# Altium PCB Hall Board.PcbDoc (part 4 of 4)
Units mil, origin at the board's own origin, x right, y up, seen from the top; angles counter-clockwise.
Board outline 5491 x 4230 mil, 4 copper layers (Top Layer, Internal Plane 1, Internal Plane 2, Bottom Layer), stack 18.2 mil thick; 462 components, 334 nets, 1357 pads, 212 vias.
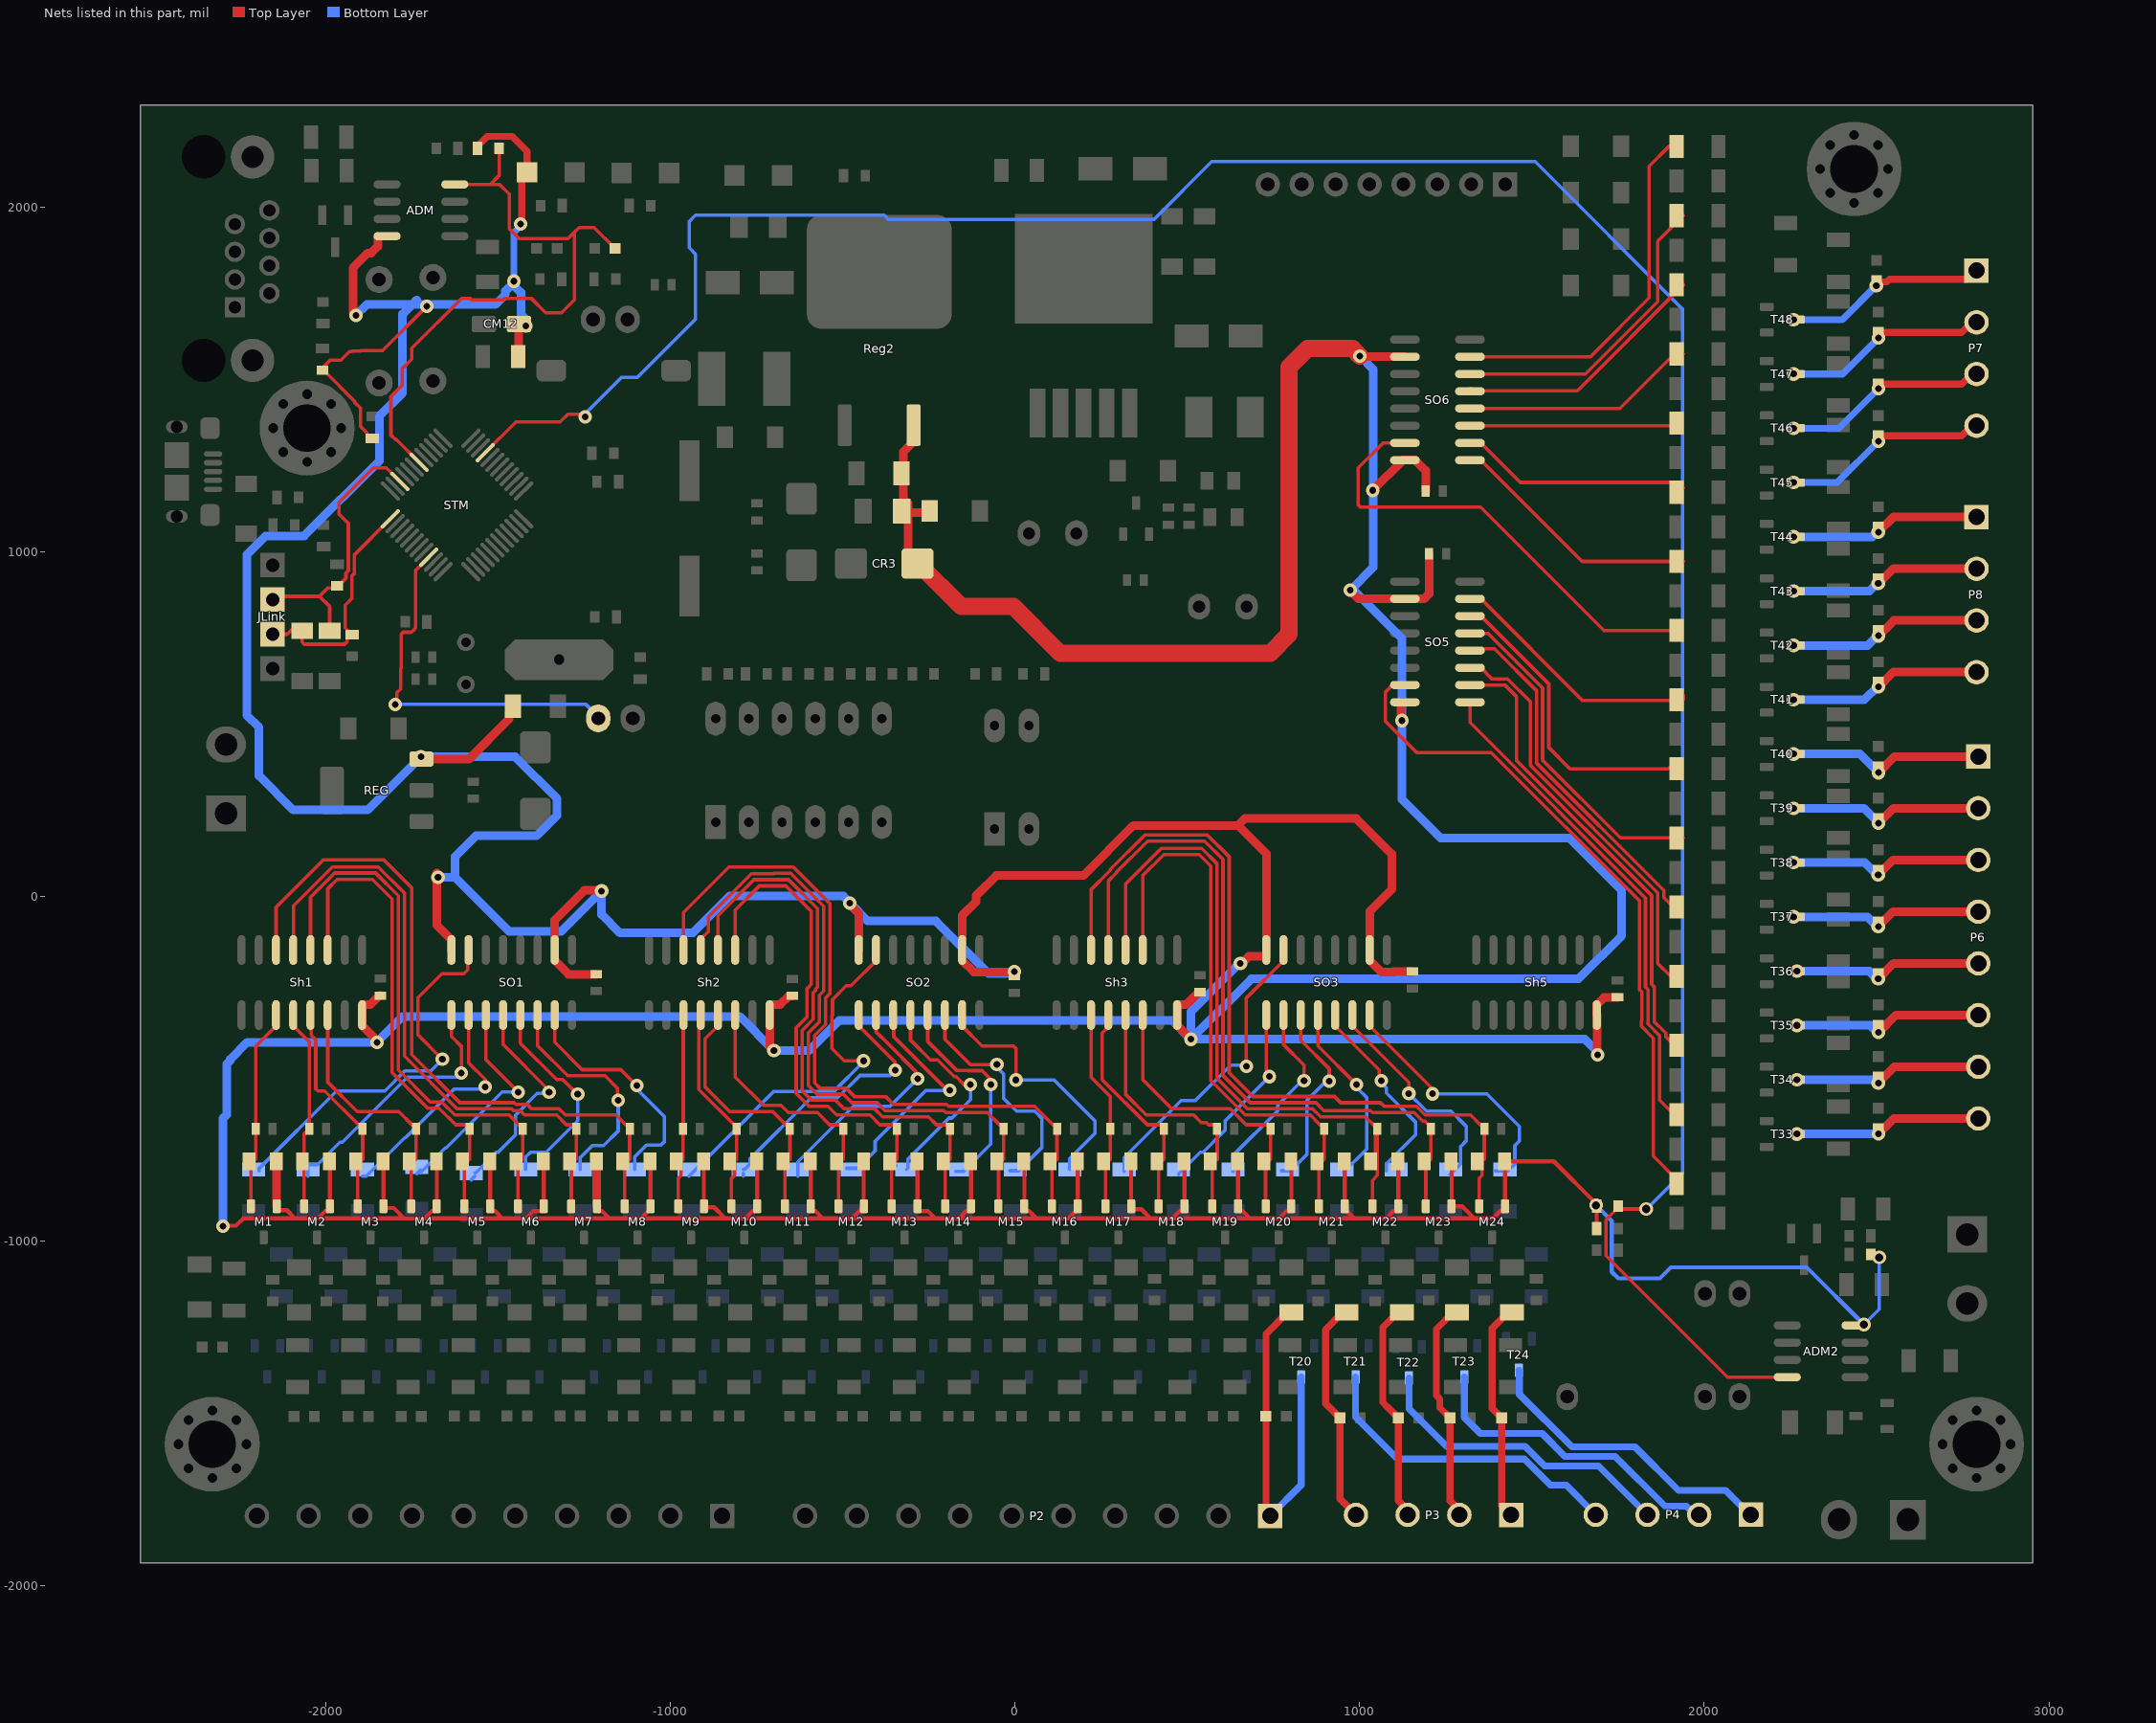
[diagram p6: the nets of this part, all layers, seen from the top]

## Via types
v1: diameter 39.37, hole 19.68, Top Layer to Bottom Layer, 199 vias
v2: diameter 39.37, hole 23.62, Top Layer to Bottom Layer, 12 vias
v3: diameter 78.74, hole 39.37, Top Layer to Bottom Layer, 1 vias

## Nets (pads, with @x,y where several pads share a name; then routed paths per layer and width w, separated by ;. In a path a pad name is that pad's centre, name@x,y a point inside that pad or via, vN(x,y) a via of type N, cw(c..) or ccw(c..) an arc to the next point about the centre after c; other vN are vias at no path point) (continued)
SI24_19: DT20.2 L20.2 P2.1 T20.3 | length 1073
  Top Layer w20: P2.1@740.31,-1797.76 727.79,-1785.24 L20.2@727.79,-1508.59 727.79,-1270.35 791.17,-1206.96 DT20.2@802,-1206.96
  Bottom Layer w20: P2.1@740.31,-1797.76 830.16,-1707.9 T20.3@830.16,-1395
SI24_24: DT21.2 L21.2 P3.4 | length 656.1
  Top Layer w20: DT21.2@962,-1206.96 951.17,-1206.96 901,-1257.13 901,-1472.04 L21.2@942.47,-1513.51 942.47,-1748.43 P3.4@989.04,-1795
SI24_25: DT22.2 L22.2 P3.3 | length 647.5
  Top Layer w20: DT22.2@1122,-1206.96 1111.17,-1206.96 1066.67,-1251.47 1066.67,-1468.73 1080.81,-1482.87 1081.22,-1482.87 L22.2@1111.86,-1513.51 1111.86,-1754.06 1139.04,-1781.24 P3.3@1139.04,-1795
SI24_26: DT23.2 L23.2 P3.2 | length 646.8
  Top Layer w20: DT23.2@1282,-1206.96 1271.17,-1206.96 1222.21,-1255.92 1222.21,-1448.21 1232.42,-1458.41 1232.42,-1484.06 L23.2@1261.86,-1513.51 1261.86,-1754.06 1289.04,-1781.24 P3.2@1289.04,-1795
SI24_27: DT24.2 L24.2 P3.1 | length 641
  Top Layer w20: P3.1@1439.04,-1795 1411.86,-1767.82 L24.2@1411.86,-1513.51 1384.21,-1485.85 1384.21,-1253.93 1431.17,-1206.96 DT24.2@1442,-1206.96
Sig_0: RF1.2 SO1.15 | length 1114.6
  Top Layer w10: v1(-1662.32,-473.34) -1733.5,-402.16 -1733.5,-294.61 -1663.89,-225 -1600,-225 -1588.84,-213.84 -1588.84,-158.63 SO1.15@-1586.23,-156.02
  Bottom Layer w10: RF1.2@-2193.68,-796.48 -2193.68,-789.43 -1969.63,-565.37 -1829.4,-565.37 -1771.15,-507.13 -1696.11,-507.13 v1(-1662.32,-473.34)
Sig_1: RF2.2 SO1.1 | length 782
  Top Layer w10: SO1.1@-1636.23,-345 -1636.23,-406.84 -1606.33,-436.74 -1606.33,-512.29 v1@-1600,-518.61
  Bottom Layer w10: RF2.2@-2052.1,-812.8 -2052.1,-778.7 -2025.05,-778.7 -1959.96,-713.61 -1952.36,-713.61 -1763.75,-525 -1605,-525 v1@-1600,-520
  other v1: -1607.67,-513.34
Sig_2: RF3.2 SO1.2 | length 697.4
  Top Layer w10: SO1.2@-1586.23,-345 -1586.23,-483.77 -1537.67,-532.33 v1(-1537.67,-553.34)
  Bottom Layer w10: RF3.2@-1894.19,-812.8 -1882.92,-812.8 -1771.78,-701.65 -1770.26,-701.65 -1628.6,-560 v1@-1530,-560
Sig_3: RF4.2 SO1.3 | length 657.5
  Top Layer w10: SO1.3@-1536.23,-345 -1536.23,-474.4 v1(-1442.3,-568.34)
  Bottom Layer w10: RF4.2@-1736.29,-804.84 RF4.2@-1726.37,-794.92 ; RF4.2@-1726.37,-802.87 -1654.39,-730.9 -1651.41,-730.9 -1488.85,-568.34 v1(-1442.3,-568.34)
Sig_4: RF5.2 SO1.4 | length 639.1
  Top Layer w10: SO1.4@-1486.23,-345 -1486.23,-430.01 -1352.67,-563.57 v1(-1352.67,-568.34)
  Bottom Layer w10: RF5.2@-1578.39,-822.72 RF5.2@-1568.47,-812.8 ; RF5.2@-1568.47,-802.87 -1565.59,-802.87 -1505.27,-742.55 -1500.13,-742.55 -1450,-692.42 -1450,-635.25 -1387.36,-572.6 -1356.93,-572.6 v1(-1352.67,-568.34)
Sig_5: RF6.2 SO1.5 | length 617.4
  Top Layer w10: SO1.5@-1436.23,-345 -1436.23,-426.85 -1330.75,-532.33 -1313.13,-532.33 -1271.21,-574.25 v1(-1269.43,-574.25)
  Bottom Layer w10: RF6.2@-1420.48,-792.95 -1420.48,-757.28 -1406.02,-742.82 -1360.88,-742.82 -1269.43,-651.37 v1(-1269.43,-574.25)
Sig_6: RF7.2 SO1.6 | length 673.9
  Top Layer w10: SO1.6@-1386.23,-345 -1386.23,-433.95 -1298.97,-521.21 -1190.08,-521.21 -1153.85,-557.44 -1153.85,-590.27 v1(-1151.99,-592.13)
  Bottom Layer w10: RF7.2@-1262.58,-792.95 -1262.58,-758.95 -1227.31,-723.68 -1194.36,-723.68 -1151.99,-681.31 v1(-1151.99,-592.13)
Sig_7: RF8.2 SO1.7 | length 706.3
  Top Layer w10: SO1.7@-1336.23,-345 -1336.23,-423.75 -1256.64,-503.34 -1144.03,-503.34 v1(-1098.23,-549.13)
  Bottom Layer w10: RF8.2@-1104.68,-792.95 -1104.68,-757.28 -1069.94,-722.54 -1028.46,-722.54 -1017.61,-711.69 -1017.61,-640.37 -1089.02,-568.97 -1089.02,-566.3 -1098.23,-557.08 v1(-1098.23,-549.13)
Sig_8: RF9.2 SO2.15 | length 1099.7
  Top Layer w10: v1(-440.21,-477.77) -496.12,-477.77 -531.97,-441.92 -531.97,-346.97 -530,-345 -530,-300 -490,-260 -476.21,-260 -403.73,-187.52 SO2.15@-403.73,-156.02
  Bottom Layer w10: RF9.2@-946.77,-812.8 -701.1,-567.13 -527.13,-567.13 v1@-438.99,-478.99
Sig_9: RF10.2 SO2.1 | length 780.8
  Top Layer w10: SO2.1@-453.73,-345 -453.73,-376.5 -348.27,-481.96 v1(-348.27,-505)
  Bottom Layer w10: RF10.2@-788.87,-812.8 RF10.2@-788.87,-803.87 ; RF10.2@-788.87,-792.95 -785.75,-792.95 -770.08,-777.28 -770.08,-763.14 -591.94,-585 -515,-585 -450,-520 -363.27,-520 v1(-348.27,-505)
Sig_10: RF11.2 SO2.2 | length 722
  Top Layer w10: SO2.2@-403.73,-345 -403.73,-393.59 -370,-427.32 -288.38,-508.94 v1@-288.38,-530
  Bottom Layer w10: RF11.2@-630.97,-812.8 -630.97,-770.97 -470,-610 -363.39,-610 v1(-283.39,-530)
Sig_11: RF12.2 SO2.3 | length 702.1
  Top Layer w10: SO2.3@-353.73,-345 -352.13,-346.6 -352.13,-407.87 v1@-190,-570
  Bottom Layer w10: RF12.2@-489.38,-789.43 -456.75,-789.43 -406.43,-739.12 -406.43,-711.43 -258.34,-563.34 v1(-190,-563.34)
Sig_12: RF13.2 SO2.4 | length 628.3
  Top Layer w10: SO2.4@-303.73,-345 -303.73,-417.39 -246.03,-475.1 -225.18,-475.1 -176.4,-523.88 -171.22,-523.88 -148.42,-546.68 v1(-129.78,-546.68)
  Bottom Layer w10: RF13.2@-346.08,-781.88 RF13.2@-345.5,-781.88 ; RF13.2@-315.16,-792.95 -311.14,-788.93 -311.14,-763.14 -191.79,-643.79 -183.72,-643.79 -129.78,-589.84 v1(-129.78,-546.68)
Sig_13: RF14.2 SO2.5 | length 626.4
  Top Layer w10: SO2.5@-253.73,-345 -253.73,-421.27 -169,-506 -138.38,-506 -138.17,-506.21 -95.8,-506.21 -70.95,-531.06 v1(-70.95,-546.68)
  Bottom Layer w10: RF14.2@-171.85,-798.21 -149.72,-798.21 -70.95,-719.44 v1(-70.95,-546.68)
Sig_14: RF15.2 SO2.6 | length 698.4
  Top Layer w10: SO2.6@-203.73,-345 -203.73,-415.38 -130.77,-488.34 v1(-53.14,-488.34)
  Bottom Layer w10: v1(-53.14,-488.34) -53.14,-496.29 -33.38,-516.05 -33.38,-586.73 3.67,-623.78 56.52,-623.78 78.05,-645.31 78.05,-728.35 9.92,-796.48 RF15.2@-15.67,-796.48
Sig_15: RF16.2 SO2.7 | length 751.9
  Top Layer w10: SO2.7@-153.73,-345 -153.73,-377.28 -96.01,-435 -5,-435 2.33,-442.33 v1(2.33,-533.34)
  Bottom Layer w10: v1@6.05,-533.34 113.15,-533.34 231.11,-651.29 231.11,-688.89 158.55,-761.45 RF16.2@158.55,-792.95
Sig_16: RF17.2 SO3.15 | length 896.2
  Top Layer w10: v1(670.98,-493.34) 670.98,-295.31 778.77,-187.52 SO3.15@778.77,-156.02
  Bottom Layer w10: RF17.2@316.45,-797.95 316.45,-758.55 481.95,-593.05 522.69,-593.05 625.74,-490 v1@680,-490
Sig_17: RF18.2 SO3.1 | length 578.7
  Top Layer w10: SO3.1@728.77,-345 728.77,-506 738.17,-515.4 v1(738.17,-523.35)
  Bottom Layer w10: RF18.2@474.35,-808.62 474.35,-805.75 537.26,-742.84 545.24,-742.84 609.44,-678.64 609.44,-652.08 731.51,-530.01 v1@738.17,-530.01
Sig_18: RF19.2 SO3.2 | length 571.8
  Top Layer w10: SO3.2@778.77,-345 778.27,-345.5 778.27,-430 838.56,-490.29 v1(838.56,-535.23)
  Bottom Layer w10: RF19.2@632.26,-797.95 632.26,-752.21 761.86,-622.62 761.86,-606.32 808.18,-560 826.29,-541.89 v1@846.23,-541.89
Sig_19: RF20.2 SO3.3 | length 567.4
  Top Layer w10: SO3.3@828.77,-345 828.77,-418.39 911.31,-500.93 v1(911.31,-536.68)
  Bottom Layer w10: RF20.2@773.84,-796.48 799.43,-796.48 846.23,-749.67 846.23,-593.34 896.23,-543.34 v1@918.98,-543.34
Sig_20: RF21.2 SO3.4 | length 540.8
  Top Layer w10: SO3.4@878.77,-345 878.77,-435.11 v1(990.33,-546.68)
  Bottom Layer w10: RF21.2@954.08,-799.73 1020.02,-733.79 1020.02,-584.25 993.76,-557.99 v1@993.76,-545
Sig_21: RF22.2 SO3.5 | length 584.3
  Top Layer w10: SO3.5@928.77,-345 928.77,-376.5 1056.71,-504.44 1056.71,-529.83 v1(1062.33,-535.45)
  Bottom Layer w10: v1@1057.9,-536.39 1077.5,-555.99 1077.5,-570.87 1161.57,-654.94 1161.57,-692.57 1077.5,-776.64 RF22.2@1077.5,-797.13
Sig_22: RF23.2 SO3.6 | length 663.9
  Top Layer w10: SO3.6@978.77,-345 978.77,-376.5 1142.33,-540.06 v1(1142.33,-572.32)
  Bottom Layer w10: v1@1140.01,-570 1193.81,-623.8 1265.01,-623.8 1308.74,-667.54 1308.74,-710.48 1292.33,-726.89 1292.33,-777.28 RF23.2@1261.85,-807.77
Sig_23: RF24.2 SO3.7 | length 771.5
  Top Layer w10: SO3.7@1028.77,-345 1028.77,-376.5 1205.26,-552.98 1205.26,-567.72 v1(1210.88,-573.34)
  Bottom Layer w10: v1@1214.8,-573.34 1368.58,-573.34 1463.59,-668.35 1463.59,-710.43 1450.24,-723.78 1450.24,-777.28 1430.4,-797.13 RF24.2@1393.31,-797.13
Sig_32: RF33.2 SO5.15 | length 1929.3
  Top Layer w10: SO5.15@1092.72,610.22 1074.84,592.35 1074.84,507.35 1165.39,416.8 1381.8,416.8 1811.38,-12.77 1811.38,-270.63 1818.61,-277.86 1818.61,-361.14 1817.27,-362.47 1817.27,-377.27 1852.13,-412.13 1852.13,-754.42 1919.06,-821.35 RF33.2@1919.06,-834.14
Sig_33: RF34.2 SO5.1 | length 1449.6
  Top Layer w10: SO5.1@1320,562.78 1320,503.88 1829.25,-5.37 1829.25,-263.22 1836.48,-270.45 1836.48,-368.54 1835.15,-369.87 1870,-404.72 1870,-591.3 1912.24,-633.53 RF34.2@1919.06,-633.53
Sig_34: RF35.2 SO5.2 | length 1356.7
  Top Layer w10: SO5.2@1320,612.78 1421.2,612.78 1454.53,579.45 1454.53,394.63 1847.13,2.03 1847.13,-255.82 1854.35,-263.05 1854.35,-363.8 1887.87,-397.32 1887.87,-407.82 1912.98,-432.92 RF35.2@1919.06,-432.92
Sig_35: RF36.2 SO5.3 | length 1197.8
  Top Layer w10: SO5.3@1320,662.78 1351.5,662.78 1383.62,630.66 1428.6,630.66 1495,564.26 1495,379.44 1865,9.44 1865,-195 1902.32,-232.32 RF36.2@1919.06,-232.32
Sig_36: RF37.2 SO5.4 | length 1046.6
  Top Layer w10: SO5.4@1320,712.78 1325.27,718.06 1391,718.06 1512.87,596.18 1512.87,386.84 1882.87,16.84 1882.87,-3.87 1910.71,-31.71 RF37.2@1919.06,-31.71
Sig_37: RF38.2 SO5.5 | length 988.6
  Top Layer w10: SO5.5@1320.74,763.53 SO5.5@1320,762.78 1371.55,762.78 1530.75,603.59 1530.75,394.24 1756.09,168.9 RF38.2@1919.06,168.9 RF38.2@1938.9,168.9
Sig_38: RF39.2 SO5.6 | length 906.9
  Top Layer w10: SO5.6@1320,812.78 1351.5,812.78 1548.62,615.66 1548.62,430.89 1610,369.51 1894.76,369.51 RF39.2@1923.23,397.98
Sig_39: RF40.2 SO5.7 | length 760.5
  Top Layer w10: SO5.7@1320,862.78 1351.5,862.78 1646.95,567.33 1923.31,567.33 1938.9,582.92 RF40.2@1938.9,570.12
Sig_40: RF41.2 SO6.15 | length 1349.5
  Top Layer w10: SO6.15@1131.02,1315 1068,1315 995.55,1242.55 995.55,1134.87 1001.41,1129.02 1350.98,1129.02 1709.27,770.73 RF41.2@1919.06,770.73 RF41.2@1921.1,770.73
Sig_41: RF42.2 SO6.1 | length 740.5
  Top Layer w10: SO6.1@1320,1265 1351.5,1265 1645.15,971.34 RF42.2@1938.9,971.34
Sig_42: RF43.2 SO6.2 | length 672.8
  Top Layer w10: SO6.2@1320,1315 1351.5,1315 1466.08,1200.42 1923.23,1200.42 RF43.2@1938.9,1184.75
Sig_43: RF44.2 SO6.3 | length 611.3
  Top Layer w10: SO6.3@1320,1365 RF44.2@1931.34,1365
Sig_44: RF45.2 SO6.4 | length 684.8
  Top Layer w10: SO6.4@1320,1415 1320.41,1414.59 1755,1414.59 1913.58,1573.17 RF45.2@1938.9,1573.17
Sig_45: RF46.2 SO6.5 | length 750.2
  Top Layer w10: SO6.5@1320,1465 1321.66,1466.66 1631.78,1466.66 RF46.2@1938.9,1773.78
  Top Layer w20: SO6.5@1320,1465 SO6.5@1322.39,1467.39
Sig_46: RF47.2 SO6.6 | length 911.9
  Top Layer w10: SO6.6@1320,1515 1654.84,1515 1864.51,1724.67 1864.51,1900 RF47.2@1938.9,1974.39
Sig_47: RF48.2 SO6.7 | length 1075.5
  Top Layer w10: SO6.7@1320,1565 1669.43,1565 1840,1735.57 1840,2117.6 1897.4,2175 RF48.2@1919.06,2175
SIMu_0: CY1.2 M1.2 RA1.2 Sh1.11 | length 585
  Top Layer w10: M1.2@-2218.2,-899.65 -2218.2,-777.89 -2209.74,-769.43 -2203.7,-763.39 CY1.2@-2203.7,-674.92 -2203.7,-435.2 -2145,-376.5 Sh1.11@-2145,-345
SIMu_1: CY2.2 M2.2 RA2.2 Sh1.12 | length 587.4
  Top Layer w10: Sh1.12@-2095,-345 -2095,-376.5 -2048.7,-422.79 CY2.2@-2048.7,-674.92 -2063.2,-689.41 RA2.2@-2063.2,-774.75 ; RA2.2@-2068.52,-769.43 RA2.2@-2063.2,-774.75 ; M2.2@-2063.2,-899.65 RA2.2@-2063.2,-774.75
SIMu_2: CY3.2 M3.2 RA3.2 Sh1.13 | length 638
  Top Layer w10: Sh1.13@-2045,-345 -2042.91,-347.09 -2042.91,-403.31 -2029.6,-416.61 -2029.6,-559.14 -2023.75,-565 -2003.62,-565 -1905.43,-663.19 -1900.51,-663.19 -1893.7,-670 CY3.2@-1893.7,-674.92 -1893.7,-763.39 -1899.74,-769.43 -1908.2,-777.89 M3.2@-1908.2,-899.65
SIMu_3: CY4.2 M4.2 RA4.2 Sh1.14 | length 740.7
  Top Layer w10: Sh1.14@-1995,-345 -1995,-539.76 -1909.76,-625 -1788.62,-625 -1750.43,-663.19 -1745.51,-663.19 -1738.7,-670 CY4.2@-1738.7,-674.92 -1738.7,-763.39 -1744.74,-769.43 -1753.2,-777.89 M4.2@-1753.2,-899.65
SIMu_4: CY5.2 M5.2 RA5.2 Sh1.3 | length 1428.3
  Top Layer w10: Sh1.3@-1995,-156.02 -1995,21.44 -1967.88,48.56 -1865,48.56 -1808.26,-8.18 -1808.26,-511.74 -1705,-615 -1671.85,-615 -1623.66,-663.19 -1590.51,-663.19 -1583.7,-670 CY5.2@-1583.7,-674.92 -1583.7,-763.39 -1598.2,-777.89 M5.2@-1598.2,-899.65
SIMu_5: CY6.2 M6.2 RA6.2 Sh1.4 | length 1635.5
  Top Layer w10: Sh1.4@-2045,-156.02 -2045,-3.28 -1974.59,67.13 -1856.02,67.13 -1790.38,1.49 -1790.38,-504.34 -1697.6,-597.13 -1664.45,-597.13 -1626.57,-635 -1468.62,-635 -1440.43,-663.19 -1435.51,-663.19 -1428.7,-670 CY6.2@-1428.7,-674.92 -1428.7,-763.39 -1443.2,-777.89 M6.2@-1443.2,-899.65
SIMu_6: CY7.2 M7.2 RA7.2 Sh1.5 | length 1821.4
  Top Layer w10: Sh1.5@-2095,-156.02 -2094.42,-155.45 -2094.42,-27.43 -1981.99,85 -1848.62,85 -1772.51,8.9 -1772.51,-463.79 -1619.17,-617.13 -1461.22,-617.13 -1456.22,-622.13 -1436.88,-622.13 -1424,-635 -1330.68,-635 -1302.49,-663.19 -1280.51,-663.19 -1273.7,-670 CY7.2@-1273.7,-674.92 -1273.7,-763.39 -1288.2,-777.89 M7.2@-1288.2,-899.65
SIMu_7: CY8.2 M8.2 RA8.2 Sh1.6 | length 2047.3
  Top Layer w10: Sh1.6@-2145,-156.02 -2145,-31.83 -2008.17,105 -1832.13,105 -1751.38,24.25 -1751.38,-459.64 -1611.77,-599.25 -1453.82,-599.25 -1448.82,-604.25 -1416.05,-604.25 -1403.17,-617.13 -1323.28,-617.13 -1305.4,-635 -1158.62,-635 -1130.43,-663.19 -1125.51,-663.19 -1118.7,-670 CY8.2@-1118.7,-674.92 -1118.7,-763.39 -1133.2,-777.89 M8.2@-1133.2,-899.65
SIMu_8: CY9.2 M9.2 RA9.2 Sh2.11 | length 561.1
  Top Layer w10: M9.2@-978.2,-899.65 -978.2,-818.48 -969.74,-810.02 -969.74,-769.43 -963.7,-763.39 CY9.2@-963.7,-674.92 -963.1,-674.32 -963.1,-345.6 Sh2.11@-962.5,-345
SIMu_9: CY10.2 M10.2 RA10.2 Sh2.12 | length 608
  Top Layer w10: Sh2.12@-912.5,-345 -912.5,-380.18 -917.74,-385.42 -917.74,-560.97 -808.7,-670 -808.7,-763.39 -814.74,-769.43 -814.74,-810.02 -823.2,-818.48 M10.2@-823.2,-899.65
SIMu_10: CY11.2 M11.2 RA11.2 Sh2.13 | length 754.1
  Top Layer w10: Sh2.13@-862.5,-345 -862.5,-376.5 -899.86,-413.86 -899.86,-553.56 -828.42,-625 -703.62,-625 -665.43,-663.19 -660.51,-663.19 -653.7,-670 CY11.2@-653.7,-674.92 -653.7,-763.39 -659.74,-769.43 -668.2,-777.89 M11.2@-668.2,-899.65
SIMu_11: CY12.2 M12.2 RA12.2 Sh2.14 | length 789.3
  Top Layer w10: Sh2.14@-812.5,-345 -812.5,-524.63 -730,-607.13 -678.94,-607.13 -658.19,-627.87 -573.98,-627.87 -538.66,-663.19 -505.51,-663.19 -498.7,-670 CY12.2@-498.7,-674.92 -498.7,-763.39 -504.74,-769.43 -513.2,-777.89 M12.2@-513.2,-899.65
SIMu_12: CY13.2 M13.2 RA13.2 Sh2.3 | length 1511.1
  Top Layer w10: Sh2.3@-812.5,-156.02 -812.5,-40 -742.68,29.82 -665.24,29.82 -591.62,-43.8 -591.62,-255.84 -603.81,-268.04 -603.81,-349.79 -635.62,-381.6 -635.62,-572.3 -597.92,-610 -543.3,-610 -518.3,-635 -421.19,-635 -393,-663.19 -350.51,-663.19 -343.7,-670 CY13.2@-343.7,-674.92 -343.7,-763.39 -358.2,-777.89 M13.2@-358.2,-899.65
SIMu_13: CY14.2 M14.2 RA14.2 Sh2.4 | length 1721.1
  Top Layer w10: Sh2.4@-862.5,-156.02 -862.5,-56.76 -758.04,47.7 -657.84,47.7 -573.75,-36.39 -573.75,-263.25 -579.71,-269.21 -579.71,-273.87 -585.94,-280.11 -585.94,-357.19 -617.75,-389 -617.75,-564.89 -590.51,-592.13 -520.66,-592.13 -495.66,-617.13 -407.87,-617.13 -385,-640 -251.74,-640 -228.55,-663.19 -195.51,-663.19 -188.7,-670 CY14.2@-188.7,-674.92 -188.7,-763.39 -203.2,-777.89 M14.2@-203.2,-899.65
SIMu_14: CY15.2 M15.2 RA15.2 Sh2.5 | length 1922.4
  Top Layer w10: Sh2.5@-912.5,-156.02 -912.5,-124.53 -890.45,-102.48 -890.45,-59.44 -765.44,65.57 -701.09,65.57 -700,66.66 -651.52,66.66 -555.87,-28.99 -555.87,-275.32 -568.07,-287.51 -568.07,-364.6 -599.87,-396.4 -599.87,-549.1 -574.72,-574.25 -498.56,-574.25 -473.56,-599.25 -400.47,-599.25 -377.6,-622.13 -206.77,-622.13 -201.02,-627.87 -80.75,-627.87 -45.43,-663.19 -40.51,-663.19 -33.7,-670 CY15.2@-33.7,-674.92 -33.7,-763.39 -48.2,-777.89 M15.2@-48.2,-899.65
SIMu_15: CY16.2 M16.2 RA16.2 Sh2.6 | length 2162.1
  Top Layer w10: Sh2.6@-962.5,-156.02 -962.5,-47.5 -830.46,84.54 -644.12,84.54 -538,-21.58 -538,-282.72 -550.19,-294.92 -550.19,-372 -582,-403.81 -582,-541.7 -567.32,-556.38 -491.16,-556.38 -466.16,-581.38 -375.63,-581.38 -352.76,-604.25 -199.36,-604.25 -193.62,-610 56.38,-610 109.57,-663.19 114.49,-663.19 121.3,-670 CY16.2@121.3,-674.92 121.3,-763.39 106.8,-777.89 M16.2@106.8,-899.65
SIMu_16: CY17.2 M17.2 RA17.2 Sh3.11 | length 584
  Top Layer w10: Sh3.11@220,-345 220,-525 276.3,-581.3 CY17.2@276.3,-674.92 276.3,-763.39 270.26,-769.43 261.8,-777.89 M17.2@261.8,-899.65
SIMu_17: CY18.2 M18.2 RA18.2 Sh3.12 | length 665.9
  Top Layer w10: Sh3.12@270,-345 270,-379.69 252.64,-397.05 252.64,-532.36 383.47,-663.19 424.49,-663.19 431.3,-670 CY18.2@431.3,-674.92 431.3,-763.39 425.26,-769.43 416.8,-777.89 M18.2@416.8,-899.65
SIMu_18: CY19.2 M19.2 RA19.2 Sh3.13 | length 771
  Top Layer w10: Sh3.13@320,-345 320,-574.44 380.56,-635 518.15,-635 540.2,-657.05 555.3,-657.05 561.44,-663.19 579.49,-663.19 586.3,-670 586.3,-763.39 580.26,-769.43 571.8,-777.89 M19.2@571.8,-899.65
SIMu_19: CY20.2 M20.2 RA20.2 Sh3.14 | length 850.9
  Top Layer w10: Sh3.14@370,-345 370,-531.68 455.45,-617.13 624.24,-617.13 670.31,-663.19 734.49,-663.19 741.3,-670 CY20.2@741.3,-674.92 741.3,-763.39 735.26,-769.43 726.8,-777.89 M20.2@726.8,-899.65
SIMu_20: CY21.2 M21.2 RA21.2 Sh3.3 | length 1695.1
  Top Layer w10: Sh3.3@370,-156.02 370,59.33 431.53,120.86 534.14,120.86 567.38,87.62 567.38,-534.98 667.4,-635 856.38,-635 884.57,-663.19 889.49,-663.19 896.3,-670 CY21.2@896.3,-674.92 896.3,-763.39 881.8,-777.89 M21.2@881.8,-899.65
SIMu_21: CY22.2 M22.2 RA22.2 Sh3.4 | length 2003.1
  Top Layer w10: Sh3.4@320,-156.02 320,34.61 424.13,138.73 541.55,138.73 585.25,95.02 585.25,-527.58 674.8,-617.13 863.78,-617.13 886.65,-640 1016.38,-640 1039.57,-663.19 1044.49,-663.19 1051.3,-670 CY22.2@1051.3,-674.92 ; RA22.2@1031.48,-769.43 1045.18,-755.73 1045.18,-681.03 CY22.2@1051.3,-674.92 ; M22.2@1036.8,-899.65 1036.8,-824.51 1051.3,-810.02 CY22.2@1051.3,-674.92
SIMu_22: CY23.2 M23.2 RA23.2 Sh3.5 | length 2132.2
  Top Layer w10: Sh3.5@270,-156.02 270,43.42 294.17,67.6 294.17,69.97 384.21,160 550,160 603.13,106.87 603.13,-520.18 682.2,-599.25 872.84,-599.25 895.72,-622.13 1031.06,-622.13 1036.81,-627.87 1157.6,-627.87 1182.6,-652.87 1189.17,-652.87 1206.3,-670 CY23.2@1206.3,-674.92 1206.3,-763.39 1191.8,-777.89 M23.2@1191.8,-899.65
SIMu_23: CY24.2 M24.2 RA24.2 Sh3.6 | length 2337.5
  Top Layer w10: Sh3.6@220,-156.02 220,18.7 276.3,75 276.3,77.37 376.8,177.87 557.4,177.87 621,114.28 621,-512.77 689.53,-581.3 926.55,-581.3 944.51,-599.25 1060.16,-599.25 1070.91,-610 1165,-610 1190,-635 1321.38,-635 1349.57,-663.19 1354.49,-663.19 1361.3,-670 CY24.2@1361.3,-674.92 1361.3,-763.39 1355.26,-769.43 1355.26,-810.02 1346.8,-818.48 M24.2@1346.8,-899.65
Speed_Connection: SPD.2 STM.45 | length 1090.7
  Top Layer w10: v1(-1799.07,555.88) -1794.02,560.93 -1794.02,590.56 -1783.1,601.48 -1783.1,659.47 -1781.95,660.62 -1781.95,759.96 -1776.09,765.82 -1753.07,765.82 -1752.74,766.15 -1751.34,766.15 -1743.8,773.69 -1743.8,775.08 -1740.45,778.43 -1740.45,944.95 STM.45@-1702.12,983.28
  Bottom Layer w10: v1(-1799.07,555.88) -1798.74,556.2 -1245.36,556.2 -1210,520.85 SPD.2@-1210,515.85
SWCLk: DZ11.2 JLink.2 R15.2 STM.37 | length 696.7
  Top Layer w10: JLink.2@-2155,760.17 -2112.26,760.17 -2085.27,787.16 DZ11.2@-2070.18,787.16 ; DZ11.2@-2069.01,770.37 -2069.01,736.87 -2063.15,731.01 -1946.15,731.01 -1939.12,738.03 -1939.12,750.22 R15.2@-1930.34,759 ; STM.37@-1813.48,1094.63 -1917.44,990.67 -1917.44,936.48 -1924.44,929.48 -1924.44,864.11 -1944.31,844.24 -1944.31,778.87 -1939.12,773.69 -1939.12,767.78 R15.2@-1930.34,759 ; R15.2@-1930.34,759 R15.2@-1924.44,759 R15.2@-1930.34,759
SWIO: DZ12.2 JLink.3 R16.1 STM.34 | length 820
  Top Layer w10: JLink.3@-2155,860.17 -2145.17,870 -2018.98,870 ; DZ12.2@-1989.51,770.37 -1989.51,840.52 -2018.98,870 ; STM.34@-1785.64,1203.21 -1824.79,1242.35 -1862.11,1242.35 -1962.03,1142.44 -1962.03,1108.64 -1935.32,1081.93 -1935.32,943.88 -1942.31,936.89 -1942.31,922.61 -1967.88,897.05 -1967.88,893.97 -1995,893.97 -2018.98,870
TxComm: ADM.4 R'18.1 STM.30 Tx.1 | length 1897
  Top Layer w10: -1798.61,1324.97 -1811.59,1337.95 -1811.59,1449.53 -1779.55,1481.57 -1779.55,1529.62 -1750.95,1558.22 -1750.95,1589.95 -1607.15,1733.74 -1580.4,1733.74 -1577.02,1730.35 -1484.61,1730.35 -1481.23,1733.74 -1403.35,1733.74 -1362.06,1692.44 -1316.51,1692.44 -1278.72,1730.24 -1278.72,1926.48 ; -1797.33,1326.25 STM.30@-1729.96,1258.88 ; ADM.4@-1626.04,2065 -1625.91,2065.13 -1523.13,2065.13 ; R'18.1@-1497.67,2170 -1497.67,2090.59 -1523.13,2065.13 ; Tx.1@-1160.98,1879.17 -1222.01,1940.2 -1265,1940.2 -1278.72,1926.48 ; -1523.13,2065.13 -1496.44,2065.13 -1468.01,2036.69 -1468.01,1936.51 -1439.82,1908.32 -1296.87,1908.32 -1278.72,1926.48
TxDis: ADM2.4 R'21.1 STM.21 | length 7778.9
  Top Layer w10: STM.21@-1537.88,1286.72 -1448.85,1375.75 -1320.54,1375.75 -1297.95,1398.34 v1@-1251.08,1398.34 ; v2(1831.06,-907.52) 1758.67,-907.52 R'21.1@1750.62,-899.48 1750.62,-902.43 1714.29,-938.77 1714.29,-1042.6 1731.51,-1059.83 2067.03,-1395.34 ADM2.4@2240.81,-1395.34
  Bottom Layer w10: v1(-1248.21,1391.03) -1248.21,1398.96 -1141.54,1505.63 -1096.2,1505.63 -928.02,1673.81 -928.02,1862.89 -946.31,1881.18 -946.31,1957.03 -927.46,1975.87 -380.25,1975.87 -367.88,1963.5 403.03,1963.5 570.71,2131.18 1508.82,2131.18 1937,1703 1937,-803.39 1832.87,-907.52 v2(1831.06,-907.52)
VCC: 5V.1 ADM2.8 ADM.8 CM12.1 CM13.1 CR2.1 CR3.1 CX1.2 CX2.2 CX3.2 CX4.2 CX5.2 CX6.2 CX7.2 CX8.2 CX9.2 DP1.1 DP2.2 DZ1.2 M1.1 M2.1 M3.1 M4.1 M5.1 M6.1 M7.1 M8.1 M9.1 M10.1 M11.1 M12.1 M13.1 M14.1 M15.1 M16.1 M17.1 M18.1 M19.1 M20.1 M21.1 M22.1 M23.1 M24.1 R'15.2 R'18.2 R'21.2 R'23.2 RA1.1 RA2.1 RA3.1 RA4.1 RA5.1 RA6.1 RA7.1 RA8.1 RA9.1 RA10.1 RA11.1 RA12.1 RA13.1 RA14.1 RA15.1 RA16.1 RA17.1 RA18.1 RA19.1 RA20.1 RA21.1 RA22.1 RA23.1 RA24.1 Reg2.3 REG.3 RT2.1 RT22.1 Sh1.16 Sh2.16 Sh3.16 Sh5.16 SO1.10 SO1.16 SO2.10 SO2.16 SO3.10 SO3.16 SO5.10 SO5.16 SO6.10 SO6.16 | length 34032.2
  Top Layer w10: RT2.1@-2010.37,1532.75 -1988.12,1555 -1956.64,1555 -1931.64,1580 -1925.28,1580 -1923.53,1581.75 -1899.34,1581.75 -1898.1,1582.99 -1835.57,1582.99 v1(-1707.46,1711.1) ; RT2.1@-2010,1525.87 -2007.05,1525.87 -1916.12,1434.94 -1916.12,1432.23 -1900,1416.11 -1900,1363.01 -1880.19,1343.19 -1880.19,1337.29 -1871.41,1328.51 R'15.2@-1865.5,1328.51 ; R'23.2@1687.63,-964.45 R'21.2@1687.63,-899.48 ; ADM2.8@2437.66,-1245.34 2440.07,-1242.94 v2(2462.93,-1242.94) ; RT22.1@2483.02,-1039.06 2483.02,-1039.16 2491.8,-1047.94 v2(2507.39,-1047.94)
  Top Layer w12: v1(-2299.05,-957.67) -2297.75,-956.37 -2261.37,-956.37 -2240,-935 -2089.55,-935 ; M1.1@-2143.39,-899.65 -2143.39,-905.16 -2137.58,-910.97 -2113.58,-910.97 -2089.55,-935 ; RA2.1@-1989.78,-769.43 -1988.39,-770.81 M2.1@-1988.39,-899.65 -1988.39,-907.52 -1994.2,-913.33 -2002.08,-913.33 -2023.75,-935 ; RA3.1@-1834.78,-769.43 -1833.39,-770.81 M3.1@-1833.39,-899.65 -1828.1,-904.94 -1803.58,-904.94 -1773.52,-935 ; RA4.1@-1679.78,-769.43 -1678.39,-770.81 M4.1@-1678.39,-899.65 -1678.39,-907.52 -1684.2,-913.33 -1692.08,-913.33 -1713.75,-935 ; RA5.1@-1524.78,-769.43 -1523.39,-770.81 M5.1@-1523.39,-899.65 -1523.39,-907.52 -1517.58,-913.33 -1509.71,-913.33 -1488.04,-935 ; RA6.1@-1369.78,-769.43 -1368.39,-770.81 M6.1@-1368.39,-899.65 -1368.39,-907.52 -1374.2,-913.33 -1398.2,-913.33 -1419.87,-935 ; M7.1@-1207.58,-913.33 -1199.71,-913.33 -1178.04,-935 ; RA8.1@-1059.78,-769.43 -1058.39,-770.81 M8.1@-1058.39,-899.65 -1058.39,-907.52 -1085.87,-935 ; RA9.1@-904.78,-769.43 -903.39,-770.81 M9.1@-903.39,-899.65 -900.52,-902.52 -873.58,-902.52 -841.1,-935 ; RA10.1@-749.78,-769.43 -748.39,-770.81 M10.1@-748.39,-899.65 -748.39,-907.52 -754.2,-913.33 -762.08,-913.33 -783.75,-935 ; RA11.1@-594.78,-769.43 -593.39,-770.81 M11.1@-593.39,-899.65 -593.39,-907.52 -587.58,-913.33 -579.71,-913.33 -558.04,-935 ; RA12.1@-439.78,-769.43 -439.78,-901.03 -473.75,-935 ; RA13.1@-284.78,-769.43 -283.39,-770.81 M13.1@-283.39,-899.65 -283.39,-907.52 -277.58,-913.33 -253.58,-913.33 -231.91,-935 ; RA14.1@-129.78,-769.43 -128.39,-770.81 M14.1@-128.39,-899.65 -128.39,-907.52 -134.2,-913.33 -142.08,-913.33 -163.75,-935 ; RA15.1@25.22,-769.43 26.61,-770.81 M15.1@26.61,-899.65 26.61,-907.52 32.42,-913.33 40.29,-913.33 61.96,-935 ; RA16.1@180.22,-769.43 181.61,-770.81 M16.1@181.61,-899.65 181.61,-907.52 154.13,-935 ; RA17.1@335.22,-769.43 336.61,-770.81 M17.1@336.61,-899.65 336.61,-902.49 342.42,-908.3 366.42,-908.3 393.11,-935 ; RA18.1@490.22,-769.43 491.61,-770.81 M18.1@491.61,-899.65 491.61,-907.52 485.8,-913.33 477.92,-913.33 456.25,-935 ; RA19.1@645.22,-769.43 646.61,-770.81 M19.1@646.61,-899.65 646.61,-907.52 652.42,-913.33 660.29,-913.33 681.96,-935 ; RA20.1@800.22,-769.43 801.61,-770.81 M20.1@801.61,-899.65 801.61,-907.52 795.8,-913.33 787.92,-913.33 766.25,-935 ; RA21.1@955.22,-769.43 956.61,-770.81 M21.1@956.61,-899.65 956.61,-907.52 984.09,-935 ; RA22.1@1110.22,-769.43 1111.61,-770.81 M22.1@1111.61,-899.65 1111.61,-907.52 1105.8,-913.33 1097.92,-913.33 1076.25,-935 ; RA23.1@1265.22,-769.43 1266.61,-770.81 M23.1@1266.61,-899.65 1297.42,-899.65 1332.77,-935 ; R'21.2@1687.63,-899.48 1687.63,-893.57 1563.49,-769.43 RA24.1@1420.22,-769.43 1421.61,-770.81 M24.1@1421.61,-899.65 1421.61,-907.52 1415.8,-913.33 1407.92,-913.33 1386.25,-935 1332.77,-935 ; -2089.55,-935 -2023.75,-935 ; -2023.75,-935 -1773.52,-935 ; -1773.52,-935 -1713.75,-935 ; -1713.75,-935 -1488.04,-935 ; -1488.04,-935 -1419.87,-935 ; -1419.87,-935 -1178.04,-935 ; -1178.04,-935 -1085.87,-935 ; -1085.87,-935 -841.1,-935 ; -841.1,-935 -783.75,-935 ; -783.75,-935 -558.04,-935 ; -558.04,-935 -473.75,-935 ; -473.75,-935 -231.91,-935 ; -231.91,-935 -163.75,-935 ; -163.75,-935 61.96,-935 ; 61.96,-935 154.13,-935 ; 154.13,-935 393.11,-935 ; 393.11,-935 456.25,-935 ; 456.25,-935 681.96,-935 ; 681.96,-935 766.25,-935 ; 766.25,-935 984.09,-935 ; 984.09,-935 1076.25,-935 ; 1076.25,-935 1332.77,-935
  Top Layer w20: R'18.2@-1560.66,2170 -1560.66,2175.91 -1531.96,2204.61 -1459.61,2204.61 -1416.51,2161.51 5V.1@-1416.51,2100 -1431.75,2084.76 -1431.75,1953.71 v1(-1435.45,1950)
  Top Layer w25: RA1.1@-2144.78,-769.43 -2144.08,-770.12 -2144.08,-898.96 M1.1@-2143.39,-899.65 ; v1(-1913.12,1685) -1921.4,1693.28 -1921.4,1822.74 -1878.4,1865.74 -1869.09,1865.74 -1849.76,1885.06 ADM.8@-1849.76,1914.31 ; v1@-1855,-415.12 -1895,-375.12 Sh1.16@-1895,-345 -1895,-314.88 -1894.31,-314.19 -1871.24,-314.19 -1845.54,-288.5 CX2.2@-1842,-288.5 ; REG.3@-1723.04,397.76 -1585.21,397.76 -1468.75,514.21 -1468.75,529.15 -1457.63,540.28 DP2.2@-1457.63,551.1 ; v1@-1678.46,67.13 -1678.46,-83.68 -1636.23,-125.91 SO1.16@-1636.23,-156.02 ; CM13.1@-1442.79,1565 -1441.3,1566.5 -1441.3,1658.5 CM12.1@-1439.8,1660 ; CX8.2@-1215.94,-226.5 -1295.87,-226.5 -1336.23,-186.14 SO1.10@-1336.23,-156.02 -1336.23,-69.57 -1250,16.66 v1@-1196.66,16.66 ; RA7.1@-1214.78,-769.43 -1214.08,-770.12 -1214.08,-898.96 M7.1@-1213.39,-899.65 ; v1(-700,-447.98) -712.5,-435.48 Sh2.16@-712.5,-345 -712.5,-314.88 -711.81,-314.19 -681.69,-314.19 -657.69,-290.19 -647.63,-290.19 CX7.2@-646.94,-289.5 ; v1(-480,-20) -480,-23.89 -453.73,-50.16 SO2.16@-453.73,-156.02 ; CR2.1@-328.9,1117.05 -324.74,1112.89 CR2.1@-310.81,1112.89 ; CR2.1@-310.81,1117.05 -310.81,1139.41 -323.9,1152.5 -323.9,1289.43 -294.47,1318.87 Reg2.3@-294.47,1326.37 ; Reg2.3@-301.97,1318.87 Reg2.3@-294.47,1326.37 ; Reg2.3@-294.47,1331.37 Reg2.3@-294.47,1326.37 ; CR3.1@-283.54,965 -310.81,992.26 CR2.1@-310.81,1112.89 ; DZ1.2@-252.84,1108.74 -256.99,1112.89 CR2.1@-310.81,1112.89 ; v1(-1.98,-218.34) -3.35,-219.71 -120.17,-219.71 -153.73,-186.14 -153.73,-56.31 -113,-15.58 -113,2 -55,60 197.9,60 342.9,205 646.93,205 ; v1@509.44,-414.55 470,-375.12 Sh3.16@470,-345 470,-314.88 470.69,-314.19 497.36,-314.19 533.06,-278.5 CX3.2@536.6,-278.5 ; v1(653.56,-195.01) 657.45,-195.01 678.08,-174.38 728.08,-174.38 728.77,-173.69 728.77,123.16 646.93,205 ; v1@970,889.13 996.35,862.78 SO5.10@1131.02,862.78 1186.86,862.78 1201.5,877.43 CX4.2@1201.5,994 ; v1@995,1565 SO6.10@1131.02,1565 ; v1(1037.68,1177.32) 1125.35,1265 SO6.16@1131.02,1265 1161.14,1265 1191.5,1234.64 CX9.2@1191.5,1175.47 ; v1(1122.74,509.42) 1120.06,512.09 1120.06,562.09 1120.75,562.78 SO5.16@1131.02,562.78 ; CX5.2@1153.5,-218.5 1152.81,-219.19 1099.26,-219.19 1098.75,-219.7 1062.33,-219.7 1028.77,-186.14 SO3.10@1028.77,-156.02 1028.77,-44.4 1093.17,20 1093.17,122.16 990.33,225 666.93,225 646.93,205 ; v1(1690.5,-460.24) 1688.43,-458.17 1688.43,-345.69 Sh5.16@1687.74,-345 1687.74,-314.88 1708.44,-294.19 1747.31,-294.19 CX1.2@1748,-293.5
  Top Layer w50: CR3.1@-283.54,965 -281.58,965 -156.95,840.37 -5.04,840.37 130.34,705 740.31,705 795,759.69 795,1535.18 848.69,1588.87 978.81,1588.87 v1(1000.35,1567.32)
  Bottom Layer w10: v2(2462.93,-1242.94) 2507.39,-1198.47 v2(2507.39,-1047.94)
  Bottom Layer w12: v2(1685.82,-896.52) 1731.51,-942.21 1731.51,-1089.95 1750.62,-1109.07 1870.71,-1109.07 1902.74,-1077.04 2297.03,-1077.04 v2(2462.93,-1242.94)
  Bottom Layer w20: v1(-1455,1784.17) -1455,1925.21 -1435.45,1944.76 v1(-1435.45,1950)
  Bottom Layer w25: v1(-2299.05,-957.67) -2299.05,-644.86 -2287.73,-633.53 -2287.73,-486.75 -2277.79,-476.8 -2277.79,-473.34 -2228.56,-424.11 v1(-1852.32,-424.11) -1777.47,-349.25 -798.73,-349.25 v1(-700,-447.98) -598.44,-447.98 -510.47,-360 454.88,-360 v1(510,-415.12) ; v1(-1913.12,1685) -1881.38,1716.74 -1750.13,1716.74 ; -1736.87,1730 -1750.13,1716.74 ; v1(-1675,55) -1625.98,55 ; v1@-1457.75,1778.36 v1@-1457.34,1777.95 ; v1(-1455,1784.17) -1455,1780.28 v1@-1457.34,1777.95 ; v1(-1420.48,1654.38) -1423.23,1657.13 -1423.23,1676.75 -1434.29,1687.81 -1434.29,1751.01 -1455,1771.73 -1455,1775.61 v1@-1457.34,1777.95 ; v1(-480,-20) -428.25,-71.75 -230.55,-71.75 -77.3,-225 v1@-10.79,-225 ; v1@-480,-18.34 -498.34,0 -828.99,0 -935.74,-106.75 -1146.76,-106.75 -1200.18,-53.33 v1(-1200.18,15) -1317.31,-102.13 -1468.86,-102.13 -1625.98,55 ; v1@645.8,-200 510,-335.8 v1(510,-415.12) ; v1(1000.35,1567.32) 1039.72,1527.95 1039.72,954.74 v1(972.68,887.69) 982.31,887.69 1122.74,747.26 v1(1122.74,509.42) 1122.74,280.9 1234.73,168.9 1607.19,168.9 1760,16.1 1760,-114.72 1634.72,-240 685.12,-240 v1(510,-415.12) ; v1@1695,-456.98 1653.14,-415.12 v1(510,-415.12) ; -1750.13,1716.74 -1508.26,1716.74 -1479.51,1745.49 -1479.51,1755.77 v1@-1457.34,1777.95 ; -1750.13,1716.74 -1777.85,1689.02 -1777.85,1460 -1845.45,1392.4 -1845.45,1262.79 -2063.24,1045 -2175,1045 -2230,990 -2230,525 -2194.42,489.42 -2194.42,349.42 -2095,250 -1879.12,250 v1(-1724.7,404.42) -1451.25,404.42 -1329.54,282.71 -1329.54,234.48 -1389.02,175 -1565,175 -1625.98,114.02 -1625.98,55
WR_28: P4.4 T21.3 | length 930.4
  Bottom Layer w20: T21.3@988.06,-1395 988.06,-1510.87 1110.19,-1633 1477.58,-1633 1553.57,-1708.99 1599.28,-1708.99 P4.4@1685,-1794.71
WR_29: P4.3 T22.3 | length 908.7
  Bottom Layer w20: T22.3@1143.1,-1397.76 1143.1,-1487.1 1251.92,-1595.92 1479.92,-1595.92 1537,-1653 1693.29,-1653 P4.3@1835,-1794.71
WR_30: P4.2 T23.3 | length 915.6
  Bottom Layer w20: T23.3@1303.87,-1395 1303.87,-1512.69 1349.57,-1558.39 1528.39,-1558.39 1595.13,-1625.13 1740.8,-1625.13 1885.87,-1770.2 1947.85,-1770.2 1972.37,-1794.71 P4.2@1985,-1794.71
WR_31: P4.1 T24.3 | length 887.3
  Bottom Layer w20: T24.3@1461.77,-1375.07 1463.59,-1376.88 1463.59,-1445.59 1615.25,-1597.25 1798.25,-1597.25 1925,-1724 2062,-1724 2107.28,-1769.28 2109.57,-1769.28 P4.1@2135,-1794.71
WR_32: O1.2 P6.8 T33.3 | length 546.4
  Top Layer w25: T33.3@2271.68,-690 2272.16,-690 T33.3@2272.85,-690.69 ; v1(2505.75,-689.44) 2550.19,-645 P6.8@2795,-645
  Bottom Layer w25: v1(2268.7,-690) 2268.98,-689.72 2505.47,-689.72 v1(2505.75,-689.44)
WR_33: O2.2 P6.7 T34.3 | length 549.7
  Top Layer w25: v1(2505,-541.95) 2551.95,-495 P6.7@2795,-495
  Bottom Layer w25: v1(2268.7,-532.5) 2491.66,-532.5 2501.11,-541.95 v1(2505,-541.95)
WR_34: O3.2 P6.6 T35.3 | length 555.7
  Top Layer w25: v1(2505.75,-395.52) 2556.27,-345 P6.6@2795,-345
  Bottom Layer w25: v1(2268.7,-375) 2481.33,-375 2501.86,-395.52 v1(2505.75,-395.52)
WR_35: O4.2 P6.5 T36.3 | length 554.3
  Top Layer w25: v1(2504.77,-240) 2549.77,-195 P6.5@2795,-195
  Bottom Layer w25: v1(2268.7,-217.5) 2478.38,-217.5 2500.88,-240 v1(2504.77,-240)
WR_36: O5.2 P6.4 T37.3 | length 565.5
  Top Layer w25: v1(2505,-87.95) 2547.95,-45 P6.4@2795,-45
  Bottom Layer w25: v1(2258.9,-60) 2473.16,-60 2501.11,-87.95 v1(2505,-87.95)
WR_37: O6.2 P6.3 T38.3 | length 568.7
  Top Layer w25: v1(2504.77,61.93) 2547.84,105 P6.3@2795,105
  Bottom Layer w25: v1(2258.9,97.5) 2465.31,97.5 2500.88,61.93 v1(2504.77,61.93)
WR_38: O7.2 P6.2 T39.3 | length 571.8
  Top Layer w25: v1(2505.75,211.96) 2548.79,255 P6.2@2795,255
  Bottom Layer w25: v1(2258.9,255) 2462.71,255 v1(2505.75,211.96)
WR_39: O8.2 P6.1 T40.3 | length 577.9
  Top Layer w25: v1(2505.75,358.32) 2552.43,405 P6.1@2795,405
  Bottom Layer w25: v1(2258.9,412.5) 2451.57,412.5 v1(2505.75,358.32)
WR_40: O9.2 P8.4 T41.3 | length 564.2
  Top Layer w25: v1(2505.75,607.41) 2548.34,650 P8.4@2790,650
  Bottom Layer w25: v1(2258.9,570) 2464.46,570 2501.86,607.41 v1(2505.75,607.41)
WR_41: O10.2 P8.3 T42.3 | length 561.1
  Top Layer w25: v1(2505.75,755.46) 2550.29,800 P8.3@2790,800
  Bottom Layer w25: v1(2258.9,727.5) 2473.91,727.5 2501.86,755.46 v1(2505.75,755.46)
WR_42: O11.2 P8.2 T43.3 | length 558
  Top Layer w25: v1(2504.77,906.94) 2547.83,950 P8.2@2790,950
  Bottom Layer w25: v1(2258.9,885) 2478.95,885 2500.88,906.94 v1(2504.77,906.94)
WR_43: O12.2 P8.1 T44.3 | length 554.9
  Top Layer w25: v1(2505,1056.49) 2548.51,1100 P8.1@2790,1100
  Bottom Layer w25: v1(2258.9,1042.51) 2487.13,1042.51 2501.11,1056.49 v1(2505,1056.49)
WR_44: O13.2 P7.4 T45.3 | length 601.7
  Top Layer w20: T45.3@2271.68,1200.01 T45.3@2279.56,1200.01 ; O13.2@2505,1335.47 2746.71,1335.47 2776.24,1365 P7.4@2790,1365
  Bottom Layer w20: v1(2258.9,1200.01) 2385.65,1200.01 v1(2505.75,1320.1)
WR_45: O14.2 P7.3 T46.3 | length 599.7
  Top Layer w20: T46.3@2271.68,1357.51 T46.3@2279.56,1357.51 ; O14.2@2505,1485.47 2746.71,1485.47 2776.24,1515 P7.3@2790,1515
  Bottom Layer w20: v1(2258.9,1357.51) 2390.39,1357.51 v1(2505.75,1472.87)
WR_46: O15.2 P7.2 T47.3 | length 595.1
  Top Layer w20: T47.3@2271.68,1515.01 T47.3@2279.56,1515.01 ; O15.2@2505,1635.47 2746.71,1635.47 2776.24,1665 P7.2@2790,1665
  Bottom Layer w20: v1(2258.9,1515.01) 2401.48,1515.01 v1(2505.75,1619.28)
WR_47: O16.2 P7.1 T48.3 | length 594.6
  Top Layer w20: O16.2@2500,1785.47 2504.77,1790.24 2504.77,1783.03 2505.75,1782.06 2529.53,1782.06 2537.04,1789.57 2764.57,1789.57 P7.1@2790,1815
  Bottom Layer w20: v1(2258.9,1672.51) 2400.31,1672.51 v1(2499.25,1771.44)
pads on no net: "CIN. " C13.0 CIN.5 CIN.7 CIN.9 CM12.0 CR3.0 CR5.0 G1.0 K1.3 M1.0 M2.0 M3.0 M4.0 M5.0 M6.0 M7.0 M8.0 M9.0 M10.0 M11.0 M12.0 M13.0 M14.0 M15.0 M16.0 M17.0 M18.0 M19.0 M20.0 M21.0 M22.0 M23.0 M24.0 P9.5 Reg2.0 REG.0 S1.0 S2.0 S6.0 S7.0 Sh1.7 Sh2.7 Sh3.7 Sh3.10 Sh5.7 Sh5.10 SO6.9 STM.1 STM.2 STM.10 STM.11 STM.18 STM.19 STM.38 STM.39 STM.40 T1.0 T2.0 T3.0 T4.0 T5.0 T6.0 T7.0 T8.0 T9.0 T10.0 T11.0 T12.0 T13.0 T14.0 T15.0 T16.0 T17.0 T18.0 T19.0 T20.0 T21.0 T22.0 T23.0 T24.0 T33.0 T34.0 T35.0 T36.0 T37.0 T38.0 T39.0 T40.0 T41.0 T42.0 T43.0 T44.0 T45.0 T46.0 T47.0 T48.0 T50.0 usb.1 Y3.3

## Polygon pours and split planes (outlines as drawn)
GND on Bottom Layer "Bottom Layer-GND" (solid, pour order 2): -2538,2295 2953,2295 2953,-1935 -2538,-1935
no net on Top Layer "Top Layer-No Net" (solid, pour order 4): -2538,2295 2953,2295 2953,-1935 -2538,-1935

## Keep-outs
Keep-Out Layer:
  lines w10: -2538,-1943 -2538,2295 2953,2295 2953,-1943 -2538,-1943

## Silkscreen, mask and mechanical layers (free items; w line width, h text height)
Top Overlay:
  drawing of 725 lines, arcs and shapes, not listed
  text "G" at 950,1863.98 h50 r90
  text "MI" at 1145,1845 h50 r90
  text "MO" at 1250,1838.99 h50 r90
  text "3V3" at 725,1813.99 h50 r90
  text "RST" at 846.23,1813.99 h50 r90
  text "SDA" at 1475,1813.99 h50 r90
  text "SCK" at 1341.27,1813.19 h50 r90
  text "20" at 2595,1790 h50
  text "10" at 2600,1634.48 h50
  text "IDC" at 2590,1485 h50
  text "WIT" at 2590,1325 h50
  text "RGT" at 2585,1070 h50
  text "LFT" at 2590,920 h50
  text "OUT" at 2585,760 h50
  text "(-)" at 2584.41,603.9 h50
  text "24V" at -2190,414.29 h50
  text "CON" at 2595,375 h50
  text "HBS" at 693.4,319.3 h150
  text "G" at 2619.68,229.45 h40
  text "GND" at -2194.42,210 h50
  text "V3.0D0111" at 281.2,184.3 h170
  text "F" at 2619.68,69.04 h40
  text "Panel ID" at -907.18,55 h40
  text "Parallel ID" at -225,50 h40
  text "E" at 2619.68,-83.74 h40
  text "D" at 2619.68,-235.36 h40
  text "C" at 2619.68,-385.36 h40
  text "B" at 2619.68,-535.36 h40
  text "A" at 2619.68,-695.36 h40
  text "M+" at 2579,-995 h50
  text "M-" at 2582,-1201.42 h50
  text "IR1" at 932.07,-1685.2 h39.37
  text "IR2" at 1081.39,-1685.2 h39.37
  text "F1" at -2215,-1690 h47.24
  text "F2" at -2090,-1690 h47.24
  text "F3" at -1940.53,-1690 h47.24
  text "F4" at -1794.5,-1690 h47.24
  text "F5" at -1643.65,-1690 h47.24
  text "F6" at -1486.12,-1690 h47.24
  text "F7" at -1343.4,-1690 h47.24
  text "F8" at -1195.73,-1690 h47.24
  text "F9" at -1037.61,-1690 h47.24
  text "F10" at -894.34,-1690 h47.24
  text "F11" at -675,-1690 h40
  text "F12" at -510,-1690 h40
  text "F13" at -360,-1690 h40
  text "F14" at -212.64,-1690 h40
  text "F15" at -65,-1690 h40
  text "F16" at 90,-1690 h40
  text "F17" at 234.93,-1690 h40
  text "F18" at 395.02,-1690 h35
  text "F19" at 537.26,-1690 h40
  text "F20" at 703.36,-1690 h40
  text "IR3" at 1236.39,-1690 h39.37
  text "IR4" at 1404.69,-1690 h39.37
  text "Res1" at 1678.88,-1724 h37 r90
  text "Res4" at 2171.29,-1727.47 h36 r90
  text "Res2" at 1835,-1733.99 h37 r90
  text "Res3" at 2001.1,-1733.99 h37 r90